# Altium PCB RcMPPT-SCC1.PcbDoc (part 2 of 2)
Units mm, origin at the board's own origin, x right, y up, seen from the top; angles counter-clockwise.
Board outline 99.06 x 55.88 mm, 4 copper layers (Top Layer, Mid Layer 1, Mid Layer 2, Bottom Layer), stack 1.587 mm thick; 167 components, 115 nets, 651 pads, 305 vias.
Unrouted connection lines stored in the file: 127.
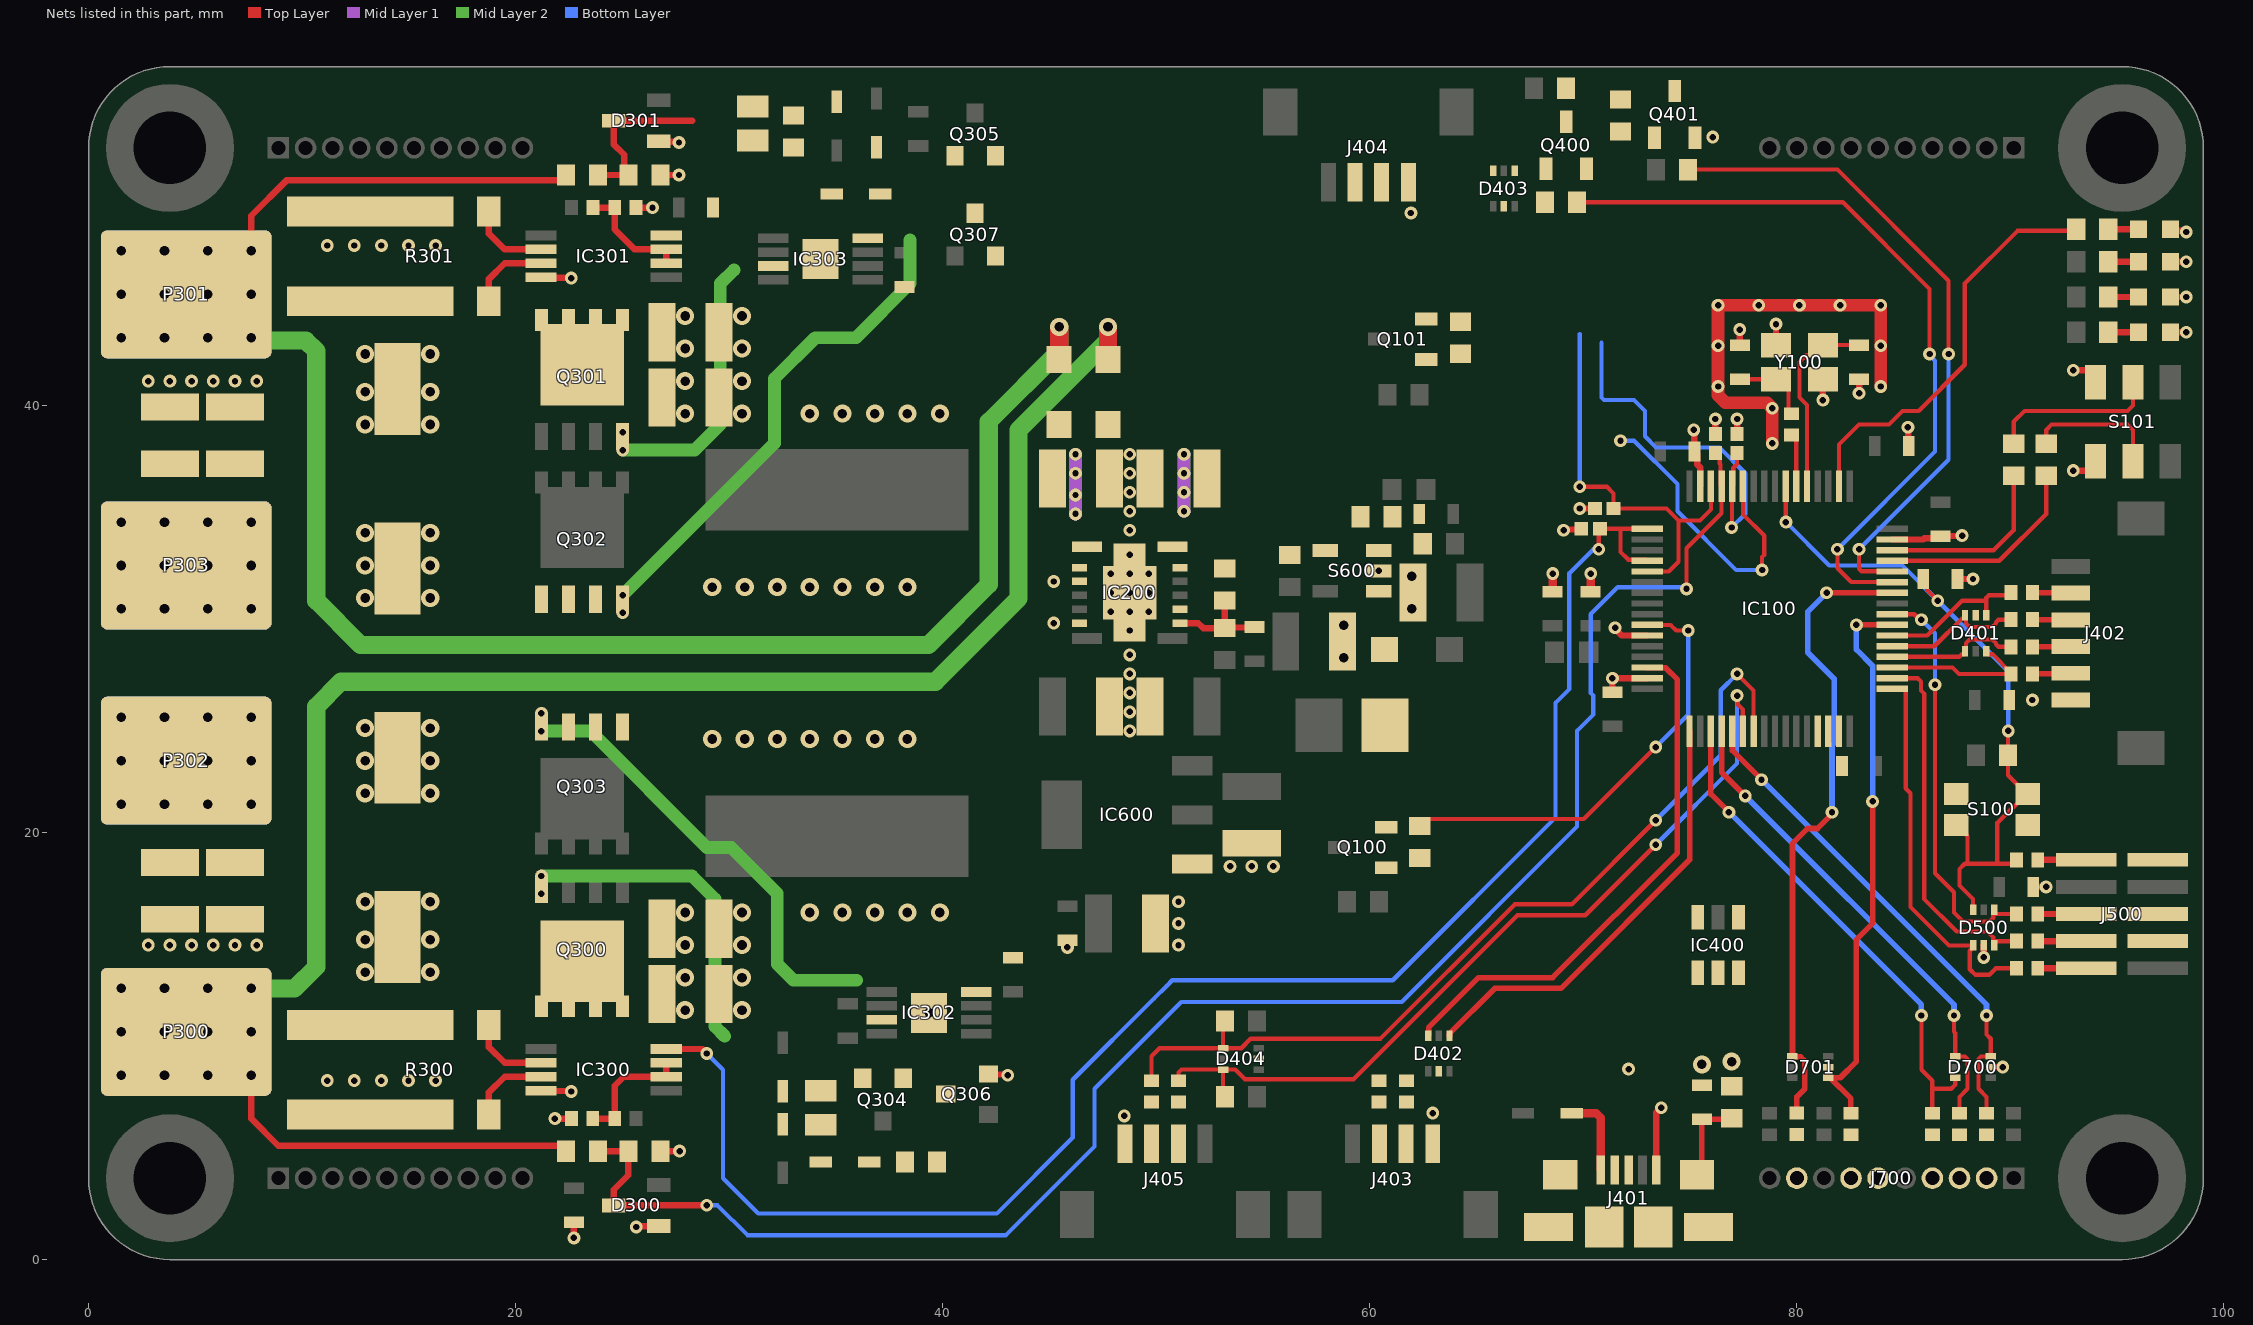
[diagram p4: the nets of this part, all layers, seen from the top]

## Via types
v1: diameter 0.6, hole 0.3, Top Layer to Bottom Layer, tented both sides, 222 vias
v2: diameter 0.85, hole 0.45, Top Layer to Bottom Layer, tented both sides, 83 vias

## Nets (pads, with @x,y where several pads share a name; then routed paths per layer and width w, separated by ;. In a path a pad name is that pad's centre, name@x,y a point inside that pad or via, vN(x,y) a via of type N, cw(c..) or ccw(c..) an arc to the next point about the centre after c; other vN are vias at no path point) (continued)
DEBUG-LED4: IC100.2 R504.1 | length 19.4
  Top Layer w0.2: IC100.2@81.99,36.218 81.99,38.175 82.931,39.116 84.328,39.116 84.963,39.751 85.725,39.751 87.884,41.91 87.884,45.72 90.349,48.185 R504.1@93.103,48.185
DRDY-IO_8: J700.09 R706.2
DRDY_H: D701.4 IC100.58 R706.1 | length 30
  Top Layer w0.261: R706.1@80.01,6.858 80.01,7.62 80.391,8.001 80.391,9.3 80.194,9.498 79.83,9.498 D701.4@79.811,9.517 79.811,19.486 80.517,20.192 80.99,20.192 81.661,20.864 v1(81.661,20.955) ; v1(81.407,31.23) IC100.58@84.478,31.23
  Bottom Layer w0.261: v1(81.407,31.23) 80.518,30.341 80.518,28.448 81.76,27.206 81.76,24.176 81.661,24.076 v1(81.661,20.955)
FAULT-IO_8: J700.07 R704.2
FAULT_H: D701.1 IC100.55 R704.1 | length 26.5
  Top Layer w0.261: D701.1@81.479,8.517 D701.1@81.575,8.517 ; R704.1@82.55,6.85 82.55,7.542 D701.1@81.575,8.517 ; v1(82.804,29.73) IC100.55@84.478,29.73 ; v1(83.566,21.463) 83.566,15.748 82.804,14.986 82.804,9.271 82.05,8.517 D701.1@81.575,8.517
  Bottom Layer w0.261: v1(82.804,29.73) 82.804,28.575 83.566,27.813 v1(83.566,21.463)
INPUT-CURRENT-SA: C102.2 IC100.14 IC100.21 IC301.8 | length 19.2
  Top Layer w0.2: v1(69.85,36.195) 71.12,36.195 71.433,35.882 C102.2@71.433,35.179 73.914,35.179 74.471,34.622 ; IC100.21@73.002,32.23 74.013,32.23 74.471,32.688 74.471,34.622 ; IC100.14@75.99,36.218 75.99,35.13 75.482,34.622 74.471,34.622
  Bottom Layer w0.2: v1(69.85,36.195) 69.85,43.349
IO-I2C-SCL: D404.6 IC100.38 R401.1 R404.2 | length 39.2
  Top Layer w0.2: R401.1@51.054,8.374 51.054,8.763 51.189,8.898 D404.6@53.141,8.898 ; R404.2@53.225,7.62 53.141,7.704 D404.6@53.141,8.898 ; v1(73.406,19.431) 70.104,16.129 66.929,16.129 59.248,8.448 54.163,8.448 53.713,8.898 D404.6@53.141,8.898 ; v1(77.216,26.416) 77.25,26.382 77.25,26.001 77.487,25.764 IC100.38@77.487,24.745
  Bottom Layer w0.2: v1(73.406,19.431) 77.216,23.241 v1(77.216,26.416)
IO-I2C-SDA: D404.4 IC100.39 R402.1 R403.2 | length 42.1
  Top Layer w0.2: R402.1@49.784,8.374 49.784,9.525 50.157,9.898 D404.4@53.141,9.898 ; R403.2@53.225,11.176 53.141,11.092 D404.4@53.141,9.898 ; v1(73.406,20.574) 69.469,16.637 66.802,16.637 60.513,10.348 54.439,10.348 53.989,9.898 D404.4@53.141,9.898 ; v1(77.216,27.432) 77.99,26.658 IC100.39@77.99,24.742
  Bottom Layer w0.2: v1(73.406,20.574) 76.454,23.622 76.454,26.67 v1(77.216,27.432)
IO-SBUS-RX: IC100.60 Q401.3 R400.1 | length 31.2
  Top Layer w0.2: R400.1@74.918,51.054 81.915,51.054 87.122,45.847 v1(87.122,42.418) ; v1(82.931,33.274) 82.931,32.361 83.048,32.244 84.464,32.244 IC100.60@84.478,32.23
  Bottom Layer w0.2: v1(82.931,33.274) 87.122,37.465 v1(87.122,42.418)
IO-SBUS-TX: IC100.59 R411.2 | length 36.1
  Top Layer w0.2: R411.2@69.711,49.53 82.169,49.53 86.233,45.466 v1(86.233,42.418) ; v1(81.915,33.274) 81.915,32.385 82.56,31.74 84.468,31.74 IC100.59@84.478,31.73
  Bottom Layer w0.2: v1(81.915,33.274) 86.487,37.846 86.487,42.101 86.233,42.355 v1(86.233,42.418)
IO-SPI-MISO: D401.3 IC100.53 R406.1 | length 6.8
  Top Layer w0.2: IC100.53@84.478,28.73 86.451,28.73 87.746,30.025 87.842,30.025 87.892,30.075 D401.3@87.892,30.171 87.942,30.121 87.942,29.801 88.118,29.625 89.166,29.625 89.342,29.801 89.342,29.855 89.459,29.972 R406.1@90.051,29.972
IO-SPI-MOSI: D401.1 IC100.54 R405.1 | length 7.2
  Top Layer w0.2: IC100.54@84.478,29.23 86.126,29.23 87.757,30.861 88.892,30.861 ; D401.1@88.892,30.171 88.892,30.861 ; R405.1@90.051,31.242 89.924,31.115 89.281,31.115 89.009,31.115 88.892,30.998 88.892,30.861
IO-SPI-NCS: D401.6 IC100.51 R408.1 | length 7.4
  Top Layer w0.2: IC100.51@84.478,27.73 87.31,27.73 87.608,27.432 R408.1@90.051,27.432 90.051,27.482 89.176,28.357 88.942,28.357 88.892,28.407 D401.6@88.892,28.503
IO-SPI-SCL: D401.4 IC100.52 R407.1 | length 6.3
  Top Layer w0.2: IC100.52@84.478,28.23 87.619,28.23 87.746,28.357 87.842,28.357 87.892,28.407 D401.4@87.892,28.503 87.942,28.553 87.942,28.873 88.118,29.049 89.166,29.049 89.342,28.873 89.342,28.819 89.459,28.702 R407.1@90.051,28.702
IO-UART-RX: D402.4 IC100.33 R413.1 | length 20.7
  Top Layer w0.261: D402.4@63.746,10.486 63.746,10.582 65.864,12.7 68.961,12.7 74.99,18.729 IC100.33@74.99,24.742
IO-UART-TX: D402.6 IC100.30 R412.1 | length 25.2
  Top Layer w0.261: D402.6@62.746,10.486 62.765,10.505 62.765,10.869 65.105,13.208 68.58,13.208 74.422,19.05 74.422,27.164 73.874,27.712 73.02,27.712 IC100.30@73.002,27.73
MISO-IO_8: J700.03 R701.2
MISO_H: D700.4 IC100.36 R701.1 | length 23.1
  Top Layer w0.2: v1(87.376,11.43) 87.376,10.668 87.431,10.613 D700.4@87.431,9.517 87.892,9.517 88.011,9.398 88.011,8.001 87.63,7.62 R701.1@87.63,6.85
  Top Layer w0.261: IC100.36@76.49,24.742 76.49,22.824 v1(77.597,21.717)
  Bottom Layer w0.261: v1(77.597,21.717) 87.376,11.938 v1(87.376,11.43)
MOSI-IO_8: J700.02 R702.2
MOSI_H: D700.3 IC100.37 R702.1 | length 23.6
  Top Layer w0.2: R702.1@88.9,6.85 88.9,7.62 88.519,8.001 88.519,9.398 88.638,9.517 D700.3@89.099,9.517 89.099,10.342 88.9,10.541 v1(88.9,11.43)
  Top Layer w0.261: IC100.37@76.99,24.742 77.002,24.73 77.002,23.836 v1(78.359,22.479)
  Bottom Layer w0.261: v1(78.359,22.479) 88.9,11.938 v1(88.9,11.43)
NetC200_1: C200.1 IC200.9 Rfb200.1 Rfb201.2 | length 4.9
  Top Layer w0.3: IC200.9@51.118,29.812 51.974,29.812 52.207,29.579 Rfb200.1@53.213,29.579 ; Rfb201.2@53.213,30.873 Rfb200.1@53.213,29.579 ; C200.1@54.61,29.629 54.585,29.604 53.238,29.604 Rfb200.1@53.213,29.579
NetC201_2: C201.2 C202.2 D200.1 D201.1 IC200.1 IC200.2 IC200.14 | length 5.5
  Mid Layer 1 w0.6: v1(46.228,34.925) v1(46.228,35.814) v1(46.228,36.83) v1(46.228,37.719) ; v1(51.308,35.052) v1(51.308,35.941) v1(51.308,36.83) v1(51.308,37.719)
NetC300_1: C300.1 C301.1 C311.1 C313.1 C314.1 Q300.5 Q300.6 Q300.7 Q300.8 Q300.9 Q300.10 Q300.11 R300.2
  other v1: 2.794,14.732 3.81,14.732 4.826,14.732 5.842,14.732 6.858,14.732 7.874,14.732
  other v2: 27.94,11.684 27.94,13.208 12.954,13.462 16.002,13.462 27.94,14.732 12.954,14.986 16.002,14.986 27.94,16.256 12.954,16.764 16.002,16.764
NetC302_1: C302.1 C303.1 C310.1 C312.1 C315.1 Q301.5 Q301.6 Q301.7 Q301.8 Q301.9 Q301.10 Q301.11 R301.3
  other v1: 2.794,41.148 3.81,41.148 4.826,41.148 5.842,41.148 6.858,41.148 7.874,41.148
  other v2: 12.954,39.116 16.002,39.116 27.94,39.624 12.954,40.64 16.002,40.64 27.94,41.148 12.954,42.418 16.002,42.418 27.94,42.672 27.94,44.196
NetC308_1: C308.1 D306.2 Q304.2
NetC308_2: C308.2 D302.1 D303.2 R310.2
NetC309_1: C309.1 D307.2 Q305.2
NetC309_2: C309.2 D304.2 D305.1 R311.2
NetC401_2: C401.2 J401.6 J401.7 J401.8 J401.9 J401.10 J401.11 R414.2 | length 4.1
  Top Layer w0.261: J401.7@75.336,3.974 75.565,4.203 C401.2@75.565,6.566 76.912,6.566 R414.2@76.962,6.616
NetC602_2: C602.2 R600.2 R602.1 S600.3
NetCL101_2: CL101.2 R101.1 Y100.3 | length 3.7
  Top Layer w0.2: CL101.2@77.343,41.237 79.162,41.237 79.629,40.77 79.629,39.743 R101.1@79.756,39.616
NetD306_1: D306.1 Q304.1 Q306.3 R310.1
NetD307_1: D307.1 Q305.1 Q307.3 R311.1
NetD400_2: D400.2 J401.1 | length 3.9
  Top Layer w0.4: D400.2@69.464,6.858 70.612,6.858 70.836,6.634 J401.1@70.836,4.199
NetD600_2: D600.2 L600.2 S600.1
NetIC300_2: IC300.2 R300.1 | length 3.8
  Top Layer w0.3: R300.1@18.753,10.99 18.753,9.949 19.487,9.215 IC300.2@21.192,9.215
NetIC300_3: IC300.3 R300.4 | length 3.8
  Top Layer w0.3: R300.4@18.753,6.79 18.753,7.831 19.487,8.565 IC300.3@21.192,8.565
NetIC300_6: IC300.6 IC300.7 R302.1 R304.2 | length 5.8
  Top Layer w0.3: R304.2@23.614,6.604 R302.1@24.646,6.604 24.646,8.136 25.075,8.565 IC300.6@27.068,8.565 IC300.7@27.068,9.215
NetIC301_2: IC301.2 R301.1 | length 3.8
  Top Layer w0.3: R301.1@18.753,49.09 18.753,48.049 19.487,47.315 IC301.2@21.192,47.315
NetIC301_3: IC301.3 R301.4 | length 3.8
  Top Layer w0.3: R301.4@18.753,44.89 18.753,45.931 19.487,46.665 IC301.3@21.192,46.665
NetIC301_6: IC301.6 IC301.7 R303.1 R305.2 | length 5.5
  Top Layer w0.3: R303.1@23.622,49.276 R305.2@24.646,49.276 24.646,48.252 25.583,47.315 IC301.7@27.068,47.315 IC301.6@27.068,46.665
NetIC302_4: IC302.4 Q303.4 | length 22.4
  Mid Layer 2 w0.6: v1(21.209,25.585) v1(21.209,24.754) 23.506,24.754 28.956,19.304 30.099,19.304 32.258,17.145 32.258,16.002 32.258,13.843 33.02,13.081 35.979,13.081
NetIC302_7: IC302.7 Q300.4 | length 16
  Mid Layer 2 w0.6: v1(21.209,17.134) v1(21.209,17.965) 28.263,17.965 29.337,16.891 29.337,10.922 29.8,10.459
NetIC303_4: IC303.4 Q302.4 | length 24.1
  Mid Layer 2 w0.6: v1(25.019,30.295) v1(25.019,31.126) 32.131,38.238 32.131,41.275 34.036,43.18 35.941,43.18 38.481,45.72 38.481,47.752
NetIC303_7: IC303.7 Q301.4 | length 13.4
  Mid Layer 2 w0.6: v1(25.019,38.746) v1(25.019,37.915) 28.39,37.915 29.591,39.116 29.591,45.72 30.226,46.355
NetJ402_2: J402.2 R405.2 | length 1.8
  Top Layer w0.261: R405.2@91.051,31.242 91.066,31.227 92.824,31.227 J402.2@92.839,31.212
NetJ402_3: J402.3 R406.2 | length 1.8
  Top Layer w0.261: R406.2@91.051,29.972 91.056,29.967 92.834,29.967 J402.3@92.839,29.962
NetJ402_4: J402.4 R407.2 | length 1.8
  Top Layer w0.261: R407.2@91.051,28.702 91.056,28.707 92.834,28.707 J402.4@92.839,28.712
NetJ402_5: J402.5 R408.2 | length 1.8
  Top Layer w0.261: R408.2@91.051,27.432 91.066,27.447 92.824,27.447 J402.5@92.839,27.462
NetJ403_2: J403.2 R412.2
NetJ403_3: J403.3 R413.2
NetJ405_2: J405.2 R402.2
NetJ405_3: J405.3 R401.2
NetJ500_2: J500.2 R500.1 | length 2.3
  Top Layer w0.3: R500.1@91.301,13.645 J500.2@93.571,13.645
NetJ500_4: J500.4 R501.1 | length 2.3
  Top Layer w0.3: R501.1@91.301,14.915 J500.4@93.571,14.915
NetJ500_6: J500.6 R502.1 | length 2.3
  Top Layer w0.3: R502.1@91.301,16.185 J500.6@93.571,16.185
NetJ500_10: J500.10 R503.1 | length 2.3
  Top Layer w0.3: R503.1@91.301,18.725 J500.10@93.571,18.725
NetLED500_2: LED500.2 R504.2 | length 1.4
  Top Layer w0.3: R504.2@94.603,48.26 LED500.2@96.024,48.26
NetLED501_2: LED501.2 R505.2 | length 1.4
  Top Layer w0.3: R505.2@94.603,46.736 LED501.2@96.024,46.736
NetLED502_2: LED502.2 R506.2 | length 1.4
  Top Layer w0.3: R506.2@94.603,45.085 LED502.2@96.024,45.085
NetLED503_2: LED503.2 R507.2 | length 1.4
  Top Layer w0.3: R507.2@94.603,43.434 LED503.2@96.024,43.434
NetQ100_1: Q100.1 R106.1
NetQ101_1: Q101.1 R107.1
NetQ400_1: Q400.1 R411.1
NetQ401_1: Q401.1 R410.1
NetR102_1: R102.1 S101.2 | length 8
  Top Layer w0.2: R102.1@90.17,38.215 90.17,39.243 90.678,39.751 95.504,39.751 95.758,40.005 S101.2@95.758,41.093
NetR103_1: R103.1 S101.5 | length 6.4
  Top Layer w0.2: R103.1@91.694,38.215 91.694,38.862 91.948,39.116 95.504,39.116 95.758,38.862 S101.5@95.758,37.393
NetR601_1: R601.1 S600.4
OUTPUT-CURRENT-SA: C101.2 IC100.17 IC100.20 IC300.8 | length 76.3
  Top Layer w0.2: v1(70.739,33.274) 70.739,34.171 C101.2@70.798,34.23 71.755,34.23 ; IC100.20@73.002,32.73 72.953,32.779 72.123,32.779 71.755,33.147 71.755,34.23 ; IC100.17@73.002,34.23 71.755,34.23
  Top Layer w0.3: IC300.8@27.068,9.865 28.743,9.865 v1(28.956,9.652)
  Bottom Layer w0.2: v1(28.956,9.652) 29.718,8.89 29.718,3.81 31.369,2.159 42.545,2.159 46.101,5.715 46.101,8.422 49.887,12.208 50.5,12.821 50.76,13.081 61.087,13.081 68.707,20.701 68.707,26.076 69.359,26.728 69.359,32.148 70.485,33.274 v1(70.739,33.274)
PGND: C100.2 C101.1 C102.1 C103.1 C104.1 C105.2 C106.2 C107.2 C108.2 C109.2 C110.2 C111.2 C112.2 C201.1 C202.1 C203.1 C204.1 C300.2 C301.2 C302.2 C303.2 C304.1 C305.1 C310.2 C311.2 C312.2 C313.2 C314.2 C315.2 C316.2 C317.2 C401.1 C402.1 C500.1 C600.2 C601.2 C603.2 C604.2 CL100.1 CL101.1 D300.1 D301.1 D401.2 D402.2 D403.2 D404.2 D500.2 D700.2 D701.2 IC100.15 IC100.27 IC100.31 IC100.47 IC100.63 IC200.3 IC200.6 IC200.10 IC200.13 IC200.15 IC200.16 IC200.17 IC300.4 IC301.4 IC302.9 IC303.9 IC400.2 IC600.1 J401.5 J402.6 J403.4 J404.1 J405.1 J500.3 J500.5 J500.9 J700.06 LED500.1 LED501.1 LED502.1 LED503.1 P302.1 P303.1 Q100.2 Q101.2 Q302.1 Q302.2 Q302.3 Q303.1 Q303.2 Q303.3 Q306.2 Q307.2 Q400.2 Q401.2 R304.1 R305.1 R308.1 R309.1 R414.1 R602.2 Rfb201.1 S100.1 S100.3 S101.3 S101.6 S600.2 Y100.2 Y100.4 | length 60.4
  Top Layer w0.3: IC300.4@21.192,7.915 21.213,7.895 22.585,7.895 v1(22.606,7.874) ; IC301.4@21.192,46.015 21.213,45.995 22.585,45.995 v1(22.606,45.974) ; v1(21.844,6.604) R304.1@22.614,6.604 ; v1(22.733,1.016) C304.1@22.733,1.74 ; R305.1@25.646,49.276 v1(26.416,49.276) ; v1(25.654,1.524) 25.682,1.552 26.676,1.552 D300.1@26.704,1.58 ; D301.1@26.704,52.38 26.732,52.352 27.658,52.352 27.671,52.339 v1(27.656,52.324) ; R308.1@26.785,5.08 v1(27.686,5.08) ; R309.1@26.785,50.8 v1(27.656,50.8) ; Q306.2@42.148,8.697 42.179,8.667 43.022,8.667 v1(43.053,8.636) ; v1(45.847,14.624) C107.2@45.847,14.948 ; v1(69.088,34.163) 69.122,34.197 69.885,34.197 C101.1@69.918,34.23 ; v1(69.85,35.179) C102.1@70.553,35.179 ; C110.2@71.374,26.581 v1(71.374,27.23) IC100.31@73.002,27.23 ; v1(71.501,29.591) 71.501,29.544 71.815,29.23 IC100.27@73.002,29.23 ; J401.5@73.436,4.199 73.436,6.888 v1(73.66,7.112) ; v1(75.184,38.862) 75.203,38.843 75.203,37.865 C109.2@75.222,37.846 75.342,37.726 75.342,37.247 75.489,37.1 IC100.15@75.49,36.218 IC100.15@75.49,36.218 ; C103.1@76.2,38.667 v1(76.2,39.37) ; C104.1@77.216,38.667 v1(77.216,39.37) ; CL101.1@77.343,42.837 v1(77.343,43.561) ; Y100.2@79.037,42.837 v1(79.037,43.815) ; v1(81.237,40.259) Y100.4@81.237,41.237 ; v1(82.931,40.578) CL100.1@82.931,41.237 ; IC100.63@84.478,33.73 85.927,33.73 85.979,33.782 86.652,33.782 C106.2@86.741,33.871 86.76,33.89 87.738,33.89 v1(87.757,33.909) ; v1(85.217,38.989) 85.236,38.97 85.236,38.119 C108.2@85.255,38.1 ; C100.2@87.541,31.877 v1(88.265,31.877) ; v1(88.769,14.153) D500.2@88.769,14.716 ; D700.2@89.099,9.017 v1(89.662,9.017) ; C500.1@91.093,17.455 v1(91.69,17.455) ; v1(92.964,36.957) 93.658,36.957 94.008,37.307 S101.6@94.008,37.393 ; v1(92.964,41.656) 93.658,41.656 94.008,41.306 S101.3@94.008,41.093 ; LED503.1@97.524,43.434 v1(98.256,43.434) ; LED502.1@97.524,45.085 v1(98.256,45.085) ; LED501.1@97.524,46.736 v1(98.256,46.736) ; LED500.1@97.524,48.26 97.594,48.19 98.199,48.19 v1(98.256,48.133)
  Top Layer w0.4: C112.2@68.58,31.28 v1(68.58,32.131) ; C105.2@70.358,31.28 v1(70.358,32.131)
  Top Layer w0.6: v1(78.867,38.227) v1(78.867,39.878) 78.613,40.132 76.678,40.132 76.327,40.483 v1(76.327,40.894) v1(76.327,42.799) v1(76.327,44.704) v1(78.232,44.704) v1(80.137,44.704) v1(82.042,44.704) v1(83.947,44.704) v1(83.947,42.799) v1(83.947,40.894)
  other v1: 48.514,6.731 62.962,6.858 72.136,8.92 51.054,14.732 51.054,15.748 51.054,16.764 53.467,18.415 54.483,18.415 55.499,18.415 48.768,24.765 48.768,25.654 91.051,26.212 48.768,26.543 48.768,27.432 48.768,28.321 48.768,29.467 45.212,29.812 47.879,30.353 48.768,30.353 49.657,30.353 47.879,31.242 48.768,31.242 49.657,31.242 45.212,31.762 47.879,32.131 48.768,32.131 49.657,32.131 60.432,32.258 48.768,33.017 48.768,34.163 48.768,35.052 48.768,35.941 48.768,36.83 48.768,37.719 61.937,49.022 76.073,52.578
  other v2: 75.565,9.144 76.962,9.271 39.37,11.557 30.607,11.684 30.607,13.208 30.607,14.732 30.607,16.256 33.782,16.256 35.306,16.256 36.83,16.256 38.354,16.256 39.878,16.256 12.954,21.844 16.002,21.844 12.954,23.368 16.002,23.368 29.21,24.384 30.734,24.384 32.258,24.384 33.782,24.384 35.306,24.384 36.83,24.384 38.354,24.384 12.954,24.892 16.002,24.892 58.801,28.194 58.801,29.718 61.976,30.48 12.954,30.988 16.002,30.988 29.21,31.496 30.734,31.496 32.258,31.496 33.782,31.496 35.306,31.496 36.83,31.496 38.354,31.496 61.976,32.004 12.954,32.512 16.002,32.512 12.954,34.036 16.002,34.036 30.607,39.624 33.782,39.624 35.306,39.624 36.83,39.624 38.354,39.624 39.878,39.624 30.607,41.148 30.607,42.672 30.607,44.196
SBUS-RX_5: D403.6 J404.2 R410.2
SBUS-TX_5: D403.4 J404.3 Q400.3 R409.1
SCLK-IO_8: J700.04 R700.2
SCLK_H: D700.6 IC100.35 R700.1 | length 23.7
  Top Layer w0.2: v1(85.852,11.43) 85.852,8.89 86.36,8.382 86.36,8.001 ; R700.1@86.36,6.85 86.36,8.001 ; D700.6@87.431,8.517 87.431,8.183 87.249,8.001 86.36,8.001
  Top Layer w0.261: IC100.35@75.99,24.742 75.99,21.8 v1(76.835,20.955)
  Bottom Layer w0.261: v1(76.835,20.955) 85.852,11.938 v1(85.852,11.43)
STM32-ADC12-1: C104.2 D301.3 IC100.12 R307.1 R309.2 | length 25.8
  Top Layer w0.2: v1(76.962,34.29) 76.976,34.304 76.976,36.204 77.039,36.267 77.039,37.078 77.216,37.255 C104.2@77.216,37.787
  Top Layer w0.3: R307.1@23.864,50.8 R309.2@25.285,50.8 25.085,51 25.085,51.75 24.604,52.231 D301.3@24.604,53.34 28.272,53.34
  Bottom Layer w0.2: 70.866,42.941 70.866,40.376 70.983,40.259 72.39,40.259 72.898,39.751 72.898,38.562 73.424,38.036 76.391,38.036 77.597,36.83 77.597,34.925 v1(76.962,34.29)
STM32-ADC12-2: C103.2 D300.3 IC100.13 R306.1 R308.2 | length 82
  Top Layer w0.2: v1(74.849,31.415) 74.849,33.32 76.49,34.961 IC100.13@76.49,36.218 76.441,36.267 76.441,37.256 76.41,37.286 76.41,37.577 C103.2@76.2,37.787
  Top Layer w0.3: R306.1@23.864,5.08 R308.2@25.285,5.08 25.285,3.949 24.604,3.268 D300.3@24.604,2.54 v1(28.956,2.54)
  Bottom Layer w0.2: v1(28.956,2.54) 29.464,2.54 30.861,1.143 42.966,1.143 47.117,5.294 47.117,8.001 51.181,12.065 61.508,12.065 69.723,20.28 69.723,24.765 70.485,25.527 70.485,26.416 70.358,26.543 70.358,30.226 71.628,31.496 74.849,31.496 v1(74.849,31.415)
STM32-NRST: C100.1 D500.6 IC100.7 R100.2 R503.2 S100.2 S100.4 | length 33.4
  Top Layer w0.2: IC100.7@79.49,36.218 79.496,36.212 79.496,34.55 v1(79.502,34.544) ; C100.1@85.941,31.877 86.111,31.707 86.111,31.364 v1(86.614,30.861) ; S100.2@87.479,20.357 87.529,20.357 87.954,19.932 87.954,19.882 88.011,19.825 88.011,18.542 ; D500.6@88.269,16.384 88.269,16.887 87.63,17.526 87.63,18.288 87.884,18.542 88.011,18.542 ; v1(89.916,24.765) 89.904,24.753 R100.2@89.904,23.622 89.904,22.682 S100.4@90.779,21.807 ; R503.2@90.301,18.725 90.118,18.542 89.408,18.542 ; S100.4@90.829,21.807 S100.4@90.779,21.807 ; 88.011,18.542 89.408,18.542 ; 89.408,18.542 89.408,20.46 90.13,21.182 90.154,21.182 S100.4@90.779,21.807
  Bottom Layer w0.2: v1(79.502,34.544) 81.534,32.512 84.963,32.512 v1(86.614,30.861) 89.916,27.559 v1(89.916,24.765)
STM32-PWM1_3: IC100.11 R107.2 | length 14.3
  Top Layer w0.2: IC100.11@77.49,36.218 77.49,34.905 78.486,33.909 78.486,33.001 78.388,32.903 v1(78.388,32.301)
  Bottom Layer w0.2: v1(71.755,38.354) 72.39,38.354 74.422,36.322 74.422,35.052 77.173,32.301 v1(78.388,32.301)
STM32-PWM2_3: IC100.26 R106.2 | length 20.6
  Top Layer w0.2: R106.2@62.432,20.308 62.757,20.633 70.036,20.633 v1(73.406,24.003) ; IC100.26@73.002,29.73 73.008,29.724 74.103,29.724 74.363,29.464 v1(74.93,29.464)
  Bottom Layer w0.2: v1(73.406,24.003) 74.93,25.527 v1(74.93,29.464)
STM32-SW-AUX_3: IC100.62 R102.2 | length 8.6
  Top Layer w0.2: IC100.62@84.478,33.23 89.237,33.23 90.17,34.163 R102.2@90.17,36.715
STM32-SW-BOOT_3: IC100.61 R103.2 | length 9.9
  Top Layer w0.2: IC100.61@84.478,32.73 89.499,32.73 91.694,34.925 R103.2@91.694,36.715
STM32-XC-IN_3: CL100.2 IC100.5 Y100.1 | length 9.1
  Top Layer w0.2: IC100.5@80.49,36.218 80.49,40.033 80.137,40.386 80.137,42.037 80.462,42.362 80.762,42.362 Y100.1@81.237,42.837 CL100.2@82.931,42.837
STM32-XC-OUT_3: IC100.6 R101.2 | length 2.5
  Top Layer w0.2: R101.2@79.756,38.616 79.79,38.616 79.99,38.416 IC100.6@79.99,36.218
SWD.SWDCLK: D500.3 IC100.50 R501.2 | length 17.2
  Top Layer w0.2: IC100.50@84.478,27.23 85.673,27.23 85.833,27.07 85.833,26.653 85.979,26.507 85.979,16.891 87.503,15.367 88.938,15.367 89.219,15.086 89.219,14.766 D500.3@89.269,14.716 89.269,14.812 89.372,14.915 R501.2@90.301,14.915
SWD.SWDIO: D500.1 IC100.49 R500.2 | length 18.2
  Top Layer w0.2: IC100.49@84.478,26.73 85.066,26.73 85.116,26.681 85.116,22.072 85.344,21.844 85.344,16.51 87.138,14.716 D500.1@88.269,14.716 88.269,14.62 88.115,14.466 88.115,13.602 88.382,13.335 89.028,13.335 89.338,13.645 R500.2@90.301,13.645
SWD.SWO: D500.4 IC100.56 R502.2 | length 19.5
  Top Layer w0.2: IC100.56@84.478,30.23 84.48,30.228 85.516,30.228 85.771,29.972 v1(85.852,29.972) ; v1(86.487,26.924) 86.487,18.098 87.376,17.209 87.376,16.256 87.794,15.838 89.043,15.838 89.219,16.014 89.219,16.334 D500.4@89.269,16.384 89.269,16.288 89.372,16.185 R502.2@90.301,16.185
  Bottom Layer w0.2: v1(85.852,29.972) 86.487,29.337 v1(86.487,26.924)
USB-CON_5_N: IC400.1 J401.2
USB-CON_5_P: IC400.3 J401.3
USB-MCU.USBD_N: IC100.45 IC400.6
USB-MCU.USBD_P: IC100.46 IC400.4
VBat: D201.2 P300.1 R300.3 R306.2 | length 84
  Top Layer w0.3: P300.1@7.62,8.636 7.62,6.604 8.89,5.334 22.11,5.334 R306.2@22.364,5.08
  Top Layer w0.85: D201.2@47.752,42.165 v2(47.752,43.688)
  Mid Layer 2 w0.85: P300.1@7.62,12.7 9.652,12.7 10.668,13.716 10.668,25.908 11.826,27.066 39.666,27.066 43.561,30.961 43.561,38.862 47.752,43.053 v2(47.752,43.688)
  other v1: 11.176,8.382 12.446,8.382 13.716,8.382 14.986,8.382 16.256,8.382
VPanel: D200.2 P301.1 R301.2 R307.2 | length 80.7
  Top Layer w0.3: P301.1@7.62,47.244 7.62,48.895 9.271,50.546 22.11,50.546 R307.2@22.364,50.8
  Top Layer w0.85: D200.2@45.466,42.165 v2(45.466,43.688)
  Mid Layer 2 w0.85: P301.1@7.62,43.18 7.747,43.053 10.17,43.053 10.668,42.555 10.668,30.861 12.738,28.791 39.332,28.791 42.164,31.623 42.164,39.243 45.466,42.545 v2(45.466,43.688)
  other v1: 11.176,47.498 12.446,47.498 13.716,47.498 14.986,47.498 16.256,47.498
pads on no net: D402.1 D402.3 D403.1 D403.3 D404.1 D404.3 FB101.1 FB101.2 IC100.8 IC100.9 IC100.18 IC100.19 IC100.22 IC100.23 IC100.24 IC100.25 IC200.4 IC200.5 IC200.11 IC200.12 IC300.1 IC301.1 IC302.5 IC303.5 J401.4 J402.MP1 J402.MP2 J403.MP1 J403.MP2 J404.MP1 J404.MP2 J405.MP1 J405.MP2 J500.7 J500.8 J701.01 J701.02 J701.03 J701.04 J701.05 J701.06 J701.07 J701.08 J701.09 J701.10 J702.01 J702.02 J702.03 J702.04 J702.05 J702.06 J702.07 J702.08 J702.09 J702.10 J703.01 J703.02 J703.03 J703.04 J703.05 J703.06 J703.07 J703.08 J703.09 J703.10

## Polygon pours and split planes (outlines as drawn)
VPanel on Mid Layer 1 "VPANEL_L02_P028" (solid, pour order 28): 0.66,48.124 8.484,48.124 8.484,42.3 0.66,42.3
VBat on Mid Layer 1 "VBAT_L02_P122" (solid, pour order 122): 0.66,13.58 8.484,13.58 8.484,7.756 0.66,7.756
PGND on Mid Layer 1 "PGND_L02_P123" (solid, remove dead copper, pour order 123): 0,55.88 99.06,55.88 99.06,0 0,0
NetC401_2 on Top Layer "NETC401_2_L01_P115" (solid, pour order 115): 66.421,5.969 77.851,5.969 77.851,0 66.421,0
+5 on Top Layer "Top Layer-+5" (solid, pour order 54): 44.522,24.548 46.392,22.678 50.741,22.678 51.891,21.528 56.961,21.528 58.732,23.299 58.732,26.269 57.84,27.161 57.84,30.316 58.532,31.008 58.532,31.933 54.229,31.933 54.229,28.504 52.522,28.504 51.689,29.337 50.068,29.337 50.068,28.837 50.8,28.105 50.8,24.13 46.736,24.13 46.736,28.105 47.468,28.837 47.468,29.337 45.466,29.337 44.522,28.393
PGND on Top Layer "PGND_L01_P055" (solid, pour order 55): 49.149,14.388 52.742,14.388 55.843,17.489 55.843,20.128 51.497,20.128 49.149,17.78
3V3 on Top Layer "3V3_L01_P117" (solid, pour order 117): 44.45,23.578 44.45,14.388 53.594,14.388 53.594,23.578
NetC201_2 on Top Layer "NETC201_2_L01_P058" (solid, pour order 58): 47.468,33.637 46.736,34.369 46.736,38.216 50.8,38.216 50.8,34.369 50.068,33.637 50.068,33.137 53.014,33.137 53.014,38.68 51.949,39.745 44.881,39.745 44.522,39.386 44.522,32.237 46.768,32.237 47.468,32.937 47.468,33.137
PGND on Top Layer "PGND_L01_P116" (solid, remove dead copper, pour order 116): 44.522,38.1 53.014,38.1 53.014,24.384 44.522,24.384
PGND on Top Layer "PGND_L01_P060" (solid, pour order 60): 31.914,11.086 34.163,13.335 40.767,13.335 43.688,16.256 43.688,42.164 41.058,44.794 28.894,44.794 28.894,39.026 40.73,39.026 41.656,38.1 41.656,34.036 39.624,32.004 26.67,32.004 26.416,31.75 26.416,30.48 25.596,29.66 24.689,29.66 24.054,30.295 24.054,31.565 20.904,31.565 20.066,32.403 20.066,37.592 19.75,37.908 2.45,37.908 0.66,36.118 0.66,19.762 2.45,17.972 19.75,17.972 20.361,18.583 20.361,22.373 20.361,25.949 20.574,26.162 21.844,26.162 22.174,25.832 22.174,24.315 25.977,24.315 26.416,23.876 39.624,23.876 41.656,21.844 41.656,17.78 40.73,16.854 28.894,16.854 28.894,11.086
NetR601_1 on Top Layer "NETR601_1_L01_P114" (solid, pour order 114): 55.444,32.258 58.532,32.258 58.532,34.036 55.444,34.036
NetC602_2 on Top Layer "NETC602_2_L01_P113" (solid, pour order 113): 59.832,32.908 62.921,32.908 62.921,35.687 60.325,35.687 60.325,34.001 59.832,33.508
+12 on Top Layer "+12_L01_P112" (solid, pour order 112): 62.103,27.432 62.103,28.956 63.125,29.972 63.125,35.687 65.333,35.687 65.333,27.432
PGND on Top Layer "PGND_L01_P110" (solid, pour order 110): 59.436,27.596 59.436,31.562 59.624,31.75 61.24,31.75 61.413,31.577 61.413,29.882 62.673,29.882 62.673,32.752 59.638,32.752 59.638,33.603 60,33.965 60,35.687 58.674,35.687 58.674,30.886 58.104,30.316 58.104,27.596
NetD600_2 on Top Layer "NETD600_2_L01_P100" (solid, pour order 100): 59.632,23.769 59.632,31.408 59.832,31.608 61.032,31.608 61.032,29.773 61.832,28.973 61.832,23.769
BOOT-VBAT-N_4 on Top Layer "BOOT-VBAT-N_4_L01_P099" (solid, pour order 99): 21.083,18.796 21.343,18.796 22.174,17.965 22.174,16.695 25.331,16.695 25.908,17.272 40.574,17.272 41.212,17.91 41.212,21.735 39.452,23.495 21.159,23.495 20.903,23.239 20.903,18.975
VBat on Top Layer "VBAT_L01_P098" (solid, pour order 98): 0.66,13.58 8.484,13.58 8.484,10.312 9.652,9.144 17.103,9.144 17.103,6.09 6.61,6.09 4.944,7.756 0.66,7.756
NetC300_1 on Top Layer "NETC300_1_L01_P097" (solid, pour order 97): 2.776,17.254 2.032,16.51 2.032,14.296 8.218,14.296 9.303,13.211 9.303,10.29 17.103,10.29 17.103,11.69 17.605,12.192 19.558,12.192 20.395,11.355 20.664,11.086 28.448,11.086 28.448,16.854 26.234,16.854 25.255,15.875 21.159,15.875 19.78,17.254
VPanel on Top Layer "VPANEL_L01_P096" (solid, pour order 96): 0.66,42.3 8.484,42.3 8.484,45.568 9.652,46.736 17.103,46.736 17.103,49.79 6.61,49.79 4.944,48.124 0.66,48.124
BOOT-VIN-N_4 on Top Layer "BOOT-VIN-N_4_L01_P095" (solid, pour order 95): 24.765,37.338 25.4,37.338 26.67,38.608 40.574,38.608 41.212,37.97 41.212,34.145 39.452,32.385 25.069,32.385 21.159,32.385 20.903,32.641 20.903,36.905 20.904,36.905 20.904,39.185 24.054,39.185 24.054,38.049
NetC302_1 on Top Layer "NETC302_1_L01_P061" (solid, pour order 61): 2.776,38.626 2.032,39.37 2.032,41.584 8.218,41.584 9.303,42.669 9.303,45.59 17.103,45.59 17.103,44.19 17.605,43.688 19.558,43.688 20.395,44.525 20.664,44.794 28.448,44.794 28.448,39.026 26.234,39.026 25.255,40.005 21.159,40.005 19.78,38.626
PGND on Bottom Layer "PGND_L04_P126" (solid, remove dead copper, pour order 126): 67.691,36.449 68.707,37.465 68.707,44.831 71.755,44.831 71.755,41.402 73.152,41.402 74.422,40.132 77.978,40.132 77.978,38.354 80.01,36.322 80.01,30.607 78.867,29.464 75.692,29.464 70.739,24.511 70.739,19.812 61.976,11.049 51.562,11.049 48.133,7.62 48.133,4.826 43.307,0 18.203,0 18.203,11.69 19.303,11.69 20.198,10.795 30.099,10.795 30.734,10.16 30.734,4.318 31.877,3.175 42.164,3.175 45.085,6.096 45.085,8.763 50.419,14.097 60.706,14.097 67.691,21.082 67.691,32.766
NetC300_1 on Bottom Layer "NETC300_1_L04_P080" (solid, pour order 80): 2.776,17.254 2.032,16.51 2.032,14.296 8.218,14.296 9.303,13.211 9.303,10.29 17.103,10.29 17.103,11.69 17.605,12.192 19.558,12.192 20.395,11.355 20.664,11.086 28.448,11.086 28.448,16.854 26.234,16.854 25.255,15.875 21.159,15.875 19.78,17.254
NetC302_1 on Bottom Layer "NETC302_1_L04_P079" (solid, pour order 79): 2.776,38.626 2.032,39.37 2.032,41.584 8.218,41.584 9.303,42.669 9.303,45.59 17.103,45.59 17.103,44.19 17.605,43.688 19.558,43.688 20.395,44.525 20.664,44.794 28.448,44.794 28.448,39.026 26.234,39.026 25.255,40.005 21.159,40.005 19.78,38.626
VPanel on Bottom Layer "VPANEL_L04_P066" (solid, pour order 66): 0.66,42.3 8.484,42.3 8.484,45.568 9.652,46.736 17.103,46.736 17.103,49.79 6.61,49.79 4.944,48.124 0.66,48.124
PGND on Bottom Layer "PGND_L04_P063" (solid, pour order 63): 43.688,16.256 40.767,13.335 34.163,13.335 31.914,11.086 28.894,11.086 28.894,16.854 28.476,17.272 25.901,17.272 25.324,16.695 22.174,16.695 20.897,17.972 2.45,17.972 0.66,19.762 0.66,36.118 2.45,37.908 19.627,37.908 20.904,39.185 24.054,39.185 24.631,38.608 28.476,38.608 28.894,39.026 28.894,44.794 41.058,44.794 43.688,42.164 43.688,29.21
VBat on Bottom Layer "VBAT_L04_P068" (solid, pour order 68): 0.66,13.58 8.484,13.58 8.484,10.312 9.652,9.144 17.103,9.144 17.103,6.09 6.61,6.09 4.944,7.756 0.66,7.756
no net on Bottom Solder "NONET_L04_P075" (solid): 0.66,13.58 8.484,13.58 8.484,10.312 9.652,9.144 17.103,9.144 17.103,6.09 6.61,6.09 4.944,7.756 0.66,7.756
no net on Bottom Solder "NONET_L04_P074" (solid): 2.45,15.912 2.54,16.002 8.128,16.002 9.38,17.254 19.78,17.254 21.159,15.875 25.069,15.875 25.325,15.619 25.325,11.355 25.324,11.355 20.395,11.355 19.558,12.192 17.605,12.192 17.103,11.69 17.103,10.29 9.303,10.29 9.303,13.211 8.218,14.296 2.45,14.296
no net on Bottom Solder "NONET_L04_P073" (solid): 0.66,42.3 8.484,42.3 8.484,45.568 9.652,46.736 17.103,46.736 17.103,49.79 6.61,49.79 4.944,48.124 0.66,48.124
no net on Bottom Solder "NONET_L04_P071" (solid): 2.45,39.968 2.54,39.878 8.128,39.878 9.38,38.626 19.78,38.626 21.159,40.005 25.069,40.005 25.325,40.261 25.325,44.525 25.324,44.525 20.395,44.525 19.558,43.688 17.605,43.688 17.103,44.19 17.103,45.59 9.303,45.59 9.303,42.669 8.218,41.584 2.45,41.584
A3V3 on Mid Layer 2 "A3V3_L03_P125" (solid, pour order 125): 19.303,11.69 18.203,11.69 18.203,0 28.575,0 28.575,10.795 20.198,10.795
PGND on Mid Layer 2 "PGND_L03_P121" (solid, remove dead copper, pour order 121): 44.522,38.1 53.014,38.1 53.014,24.384 44.522,24.384
+5 on Mid Layer 2 "Mid Layer 2-+5" (solid, pour order 82): 44.522,24.548 46.392,22.678 50.741,22.678 51.891,21.528 58.732,21.528 58.732,26.269 58.732,34.036 53.213,34.036 53.213,28.504 52.522,28.504 51.689,29.337 50.068,29.337 50.068,28.837 50.8,28.105 50.8,24.13 46.736,24.13 46.736,28.105 47.468,28.837 47.468,29.337 45.466,29.337 44.522,28.393
NetC201_2 on Mid Layer 2 "NETC201_2_L03_P120" (solid, pour order 120): 47.468,33.637 46.736,34.369 46.736,38.216 50.8,38.216 50.8,34.369 50.068,33.637 50.068,33.137 53.014,33.137 53.014,38.68 51.949,39.745 44.881,39.745 44.522,39.386 44.522,32.237 46.768,32.237 47.468,32.937 47.468,33.137
3V3 on Mid Layer 2 "3V3_L03_P119" (solid, pour order 119): 44.45,6.35 44.45,23.578 62.611,23.578 62.611,48.26 72.517,48.26 72.517,55.88 99.06,55.88 99.06,0 44.45,0
+12 on Mid Layer 2 "+12_L03_P108" (solid, pour order 108): 62.484,22.098 62.484,27.051 66.167,27.051 66.167,35.687 58.928,35.687 58.928,22.098
VBat on Mid Layer 2 "VBAT_L03_P102" (solid, pour order 102): 0.66,13.58 8.484,13.58 8.484,7.756 0.66,7.756
VPanel on Mid Layer 2 "VPANEL_L03_P093" (solid, pour order 93): 0.66,48.124 8.484,48.124 8.484,42.3 0.66,42.3

## Keep-outs
Mid Layer 1:
  lines w0.2: 79.49,36.218 79.49,37.223 79.248,37.465 78.359,37.465 77.978,37.846 77.978,38.735 77.978,40.132 76.454,40.132 75.565,40.132 75.565,45.466 84.709,45.466 84.709,40.513 84.074,39.878 82.169,39.878 80.99,38.699 80.99,36.218
Keep-Out Layer:
  the board outline again, w0.5

## Silkscreen, mask and mechanical layers (free items; w line width, h text height)
Board:
  the board outline again, w0.254

## Text inside footprints (layer, text, board x,y; h text height)
J500: Top Overlay "1" at 97.786,12.248 h0.76 r90